# Altium PCB GameBoard_V1I1_Phase1.PcbDoc (part 10 of 18) (continued)
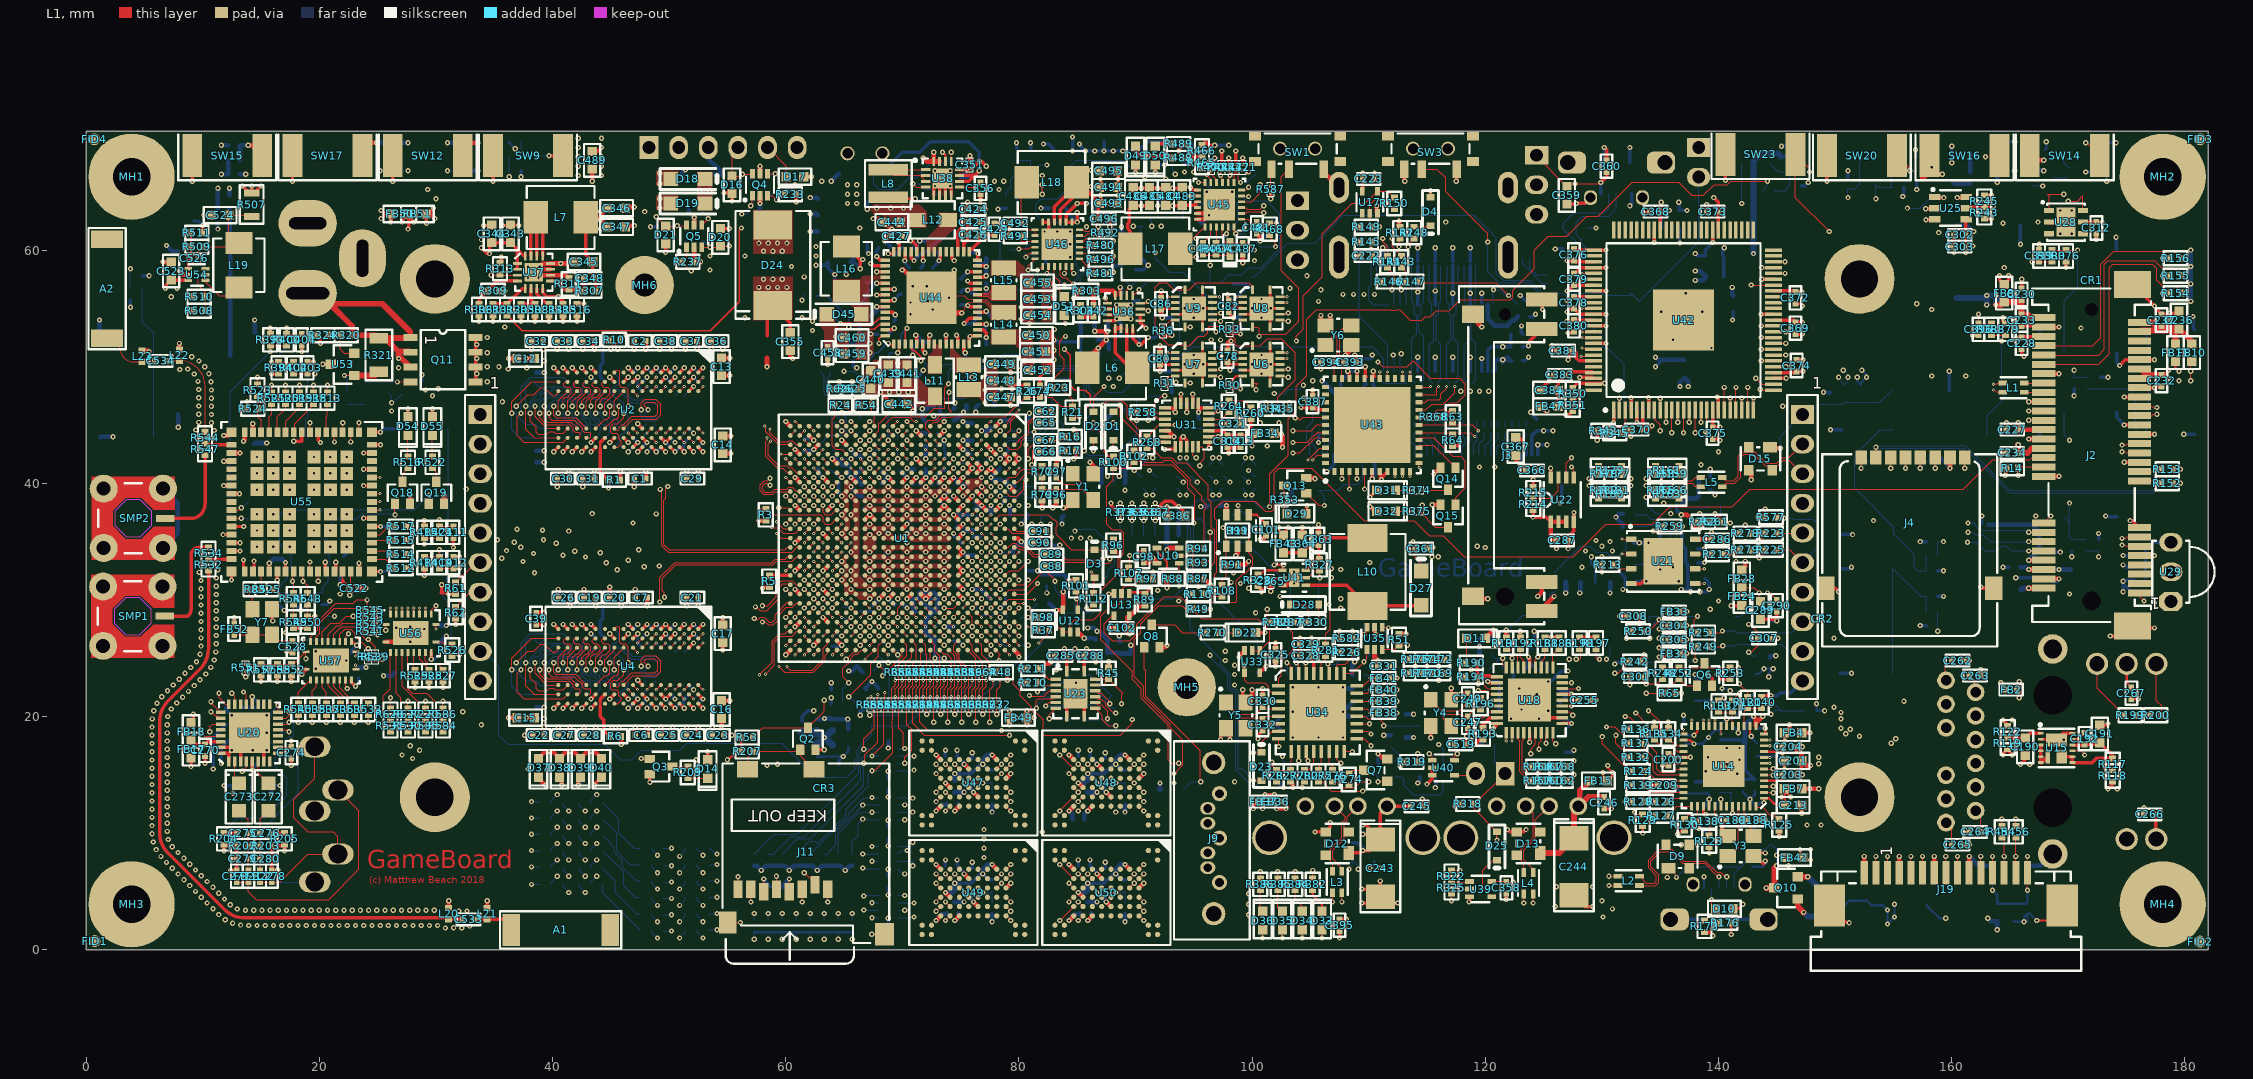
[diagram p0: L1 view]
## Nets (pads, with @x,y where several pads share a name; then routed paths per layer and width w, separated by ;. In a path a pad name is that pad's centre, name@x,y a point inside that pad or via, vN(x,y) a via of type N, cw(c..) or ccw(c..) an arc to the next point about the centre after c; other vN are vias at no path point) (continued)
  L1 w0.093: v4(47.7,47.9) v3(48.1,48.3)
  L1 w0.1: v3(58.4,43.9) 58.4,43.7 58.3,43.6 58.3,42.317 59.317,41.3 59.75,41.3 60.15,40.9 U1.AE6@60.4,40.9
  L3 w0.1: v4(47.7,47.9) 48.097,47.9 48.382,47.615 48.685,47.615 49.5,46.8 49.8,46.5 57.5,46.5 58.7,45.3 v4(58.7,44.2)
  L2 w0.1: v4(47.7,47.9) v3(48.1,48.3) ; v3(58.4,43.9) v4(58.7,44.2)
DRAM_DQS1_P: U1.AD6 U2.F3 | length 19.1
  L1 w0.093: v4(48.5,47.9) v3(48.9,48.3)
  L1 w0.1: v3(58.7,43.6) 58.5,43.4 58.5,42.4 59.4,41.5 60.105,41.5 60.255,41.35 60.5,41.35 60.95,40.9 U1.AD6@61.2,40.9
  L3 w0.1: v4(48.5,47.9) 48.683,47.9 49.883,46.7 57.583,46.7 58.083,46.2 59,45.283 v4(59,43.9)
  L2 w0.1: v4(48.5,47.9) v3(48.9,48.3) ; v3(58.7,43.6) v4(59,43.9)
DRAM_DQS2_N: U1.AE8 U3.G3 | length 21
  L1 w0.1: v2(58.65,40.425) 58.425,40.2 58.142,40.2 57.825,39.883 57.825,39.342 58.117,39.05 58.875,39.05 59.1,39.275 60.155,39.275 60.23,39.2 60.3,39.2 U1.AE8@60.4,39.3
  L10 w0.1: v5(47.7,44.7) 48.575,45.575 49.225,45.575 49.65,46 54.65,46 57.375,43.275 57.375,40.8 57.95,40.225 58.45,40.225 v2(58.65,40.425)
  L11 w0.1: v5(47.7,44.7) v6(48.1,45.1)
  L12 w0.093: v5(47.7,44.7) v6(48.1,45.1)
DRAM_DQS2_P: U1.AD8 U3.F3 | length 20.6
  L1 w0.1: v2(58.65,39.825) 58.475,40 58.225,40 58.025,39.8 58.025,39.425 58.2,39.25 58.792,39.25 59.042,39.5 60.105,39.5 60.255,39.65 60.545,39.65 60.895,39.3 U1.AD8@61.2,39.3
  L10 w0.1: v5(48.5,44.7) 48.5,45.15 48.725,45.375 49.308,45.375 49.733,45.8 54.567,45.8 57.175,43.192 57.175,40.717 57.867,40.025 58.45,40.025 v2(58.65,39.825)
  L11 w0.1: v5(48.5,44.7) v6(48.9,45.1)
  L12 w0.093: v5(48.5,44.7) v6(48.9,45.1)
DRAM_DQS3_N: U1.AB10 U3.B7 | length 20.4
  L1 w0.093: v2(62.4,38.1) U1.AB10@62.8,37.7
  L10 w0.1: v5(50.9,47.1) 51.175,47.375 54.442,47.375 58.217,43.6 58.217,42.117 59.15,41.184 59.15,38.842 59.925,38.067 59.925,37.742 60.392,37.275 61.783,37.275 62.1,37.592 62.1,37.8 v2(62.4,38.1)
  L11 w0.1: v5(50.9,47.1) v6(51.3,47.5)
  L12 w0.093: v6(51.3,47.5) U3.B7@51.7,47.9
DRAM_DQS3_P: U1.AC10 U3.C7 | length 20.1
  L1 w0.093: v2(61.6,38.1) U1.AC10@62,37.7
  L10 w0.1: v5(50.9,47.9) 51.225,47.575 54.525,47.575 58.417,43.683 58.417,42.2 59.35,41.267 59.35,38.925 60.125,38.15 60.125,37.825 60.475,37.475 61.7,37.475 61.9,37.675 61.9,37.8 v2(61.6,38.1)
  L11 w0.1: v6(50.5,47.5) v5(50.9,47.9)
  L12 w0.093: v6(50.5,47.5) v5(50.9,47.9)
DRAM_DQS4_N: U1.AE18 U5.G3 | length 22.8
  L1 w0.09: v2(57.4,29.4) 57.492,29.4 57.822,29.07 58.37,29.07 59.45,30.15 59.45,31.096 59.754,31.4 60.3,31.4 U1.AE18@60.4,31.3
  L10 w0.1: v5(47.7,22.7) 47.95,22.95 47.95,23.383 48.217,23.65 52.517,23.65 52.742,23.875 57.272,23.875 57.632,24.235 58.1,24.703 58.1,27.05 58.675,27.625 58.675,28.192 58.459,28.409 58.391,28.409 v2(57.4,29.4)
  L11 w0.1: v5(47.7,22.7) v6(48.1,23.1)
  L12 w0.093: v5(47.7,22.7) v6(48.1,23.1)
DRAM_DQS4_P: U1.AD18 U5.F3 | length 22.8
  L1 w0.09: v2(58,29.5) 58.446,29.5 59.2,30.254 59.2,31.2 59.65,31.65 60.55,31.65 60.9,31.3 U1.AD18@61.2,31.3
  L10 w0.1: v5(48.5,22.7) 48.15,23.05 48.15,23.3 48.3,23.45 52.6,23.45 52.825,23.675 57.355,23.675 57.832,24.152 58.3,24.62 58.3,26.967 58.875,27.542 58.875,28.275 58,29.15 v2(58,29.5)
  L11 w0.1: v5(48.5,22.7) v6(48.9,23.1)
  L12 w0.093: v5(48.5,22.7) v6(48.9,23.1)
DRAM_DQS5_N: U1.AE20 U5.B7 | length 17.7
  L1 w0.09: v2(57.3,28.4) 57.4,28.3 57.592,28.3 57.822,28.53 58.178,28.53 58.608,28.1 58.846,28.1 59.1,28.354 59.1,28.746 60.144,29.79 U1.AE20@60.31,29.79
  L10 w0.1: v5(50.9,25.1) 50.575,25.425 50.383,25.425 50.25,25.292 50.25,24.908 50.583,24.575 53.85,24.575 54.6,25.325 54.755,25.325 54.805,25.375 55.725,25.375 56.25,24.85 56.9,24.85 57.225,25.175 57.225,28.325 v2(57.3,28.4)
  L11 w0.1: v5(50.9,25.1) v6(51.3,25.5)
  L12 w0.093: v6(51.3,25.5) U5.B7@51.7,25.9
DRAM_DQS5_P: U1.AD20 U5.C7 | length 18.6
  L1 w0.09: v2(58,28.1) 58.255,28.1 58.505,27.85 58.95,27.85 59.35,28.25 59.35,28.643 60.062,29.355 60.543,29.355 60.888,29.7 U1.AD20@61.2,29.7
  L10 w0.1: v5(50.9,25.9) 50.625,25.625 50.3,25.625 50.05,25.375 50.05,24.825 50.5,24.375 53.933,24.375 54.683,25.125 54.838,25.125 54.888,25.175 55.642,25.175 56.167,24.65 56.983,24.65 57.425,25.092 57.425,27.525 v2(58,28.1)
  L11 w0.1: v6(50.5,25.5) v5(50.9,25.9)
  L12 w0.093: v6(50.5,25.5) v5(50.9,25.9)
DRAM_DQS6_N: U1.AE23 U4.B7 | length 18.1
  L1 w0.093: v3(51.3,22.3) v4(51.7,22.7)
  L1 w0.1: v3(57.75,23.575) 58.825,24.65 58.825,26.433 59.492,27.1 59.95,27.1 60.15,27.3 U1.AE23@60.4,27.3
  L3 w0.1: v4(51.7,22.7) 51.425,22.975 51.425,23.408 51.158,23.675 50.025,23.675 49.875,23.825 49.875,23.975 50.025,24.125 51.192,24.125 52.092,23.225 58,23.225 v4(58.05,23.275)
  L2 w0.1: v3(51.3,22.3) v4(51.7,22.7) ; v3(57.75,23.575) v4(58.05,23.275)
DRAM_DQS6_P: U1.AD23 U4.C7 | length 18.9
  L1 w0.093: v3(50.5,22.3) v4(50.9,22.7)
  L1 w0.1: v3(58.275,23.625) 59.025,24.375 59.025,26.35 59.575,26.9 60.55,26.9 60.95,27.3 U1.AD23@61.2,27.3
  L3 w0.1: v4(50.9,22.7) 51.225,23.025 51.225,23.325 51.075,23.475 49.942,23.475 49.675,23.742 49.675,24.058 49.942,24.325 51.275,24.325 52.175,23.425 57.475,23.425 v4(57.975,23.925)
  L2 w0.1: v3(50.5,22.3) v4(50.9,22.7) ; v4(57.975,23.925) v3(58.275,23.625)
DRAM_DQS7_N: U1.AA24 U4.G3 | length 23.8
  L1 w0.093: v4(47.7,25.9) v3(48.1,26.3)
  L1 w0.1: v3(60.1,24.275) 60.4,23.975 62.275,23.975 63.2,24.9 63.2,25.85 63.6,26.25 U1.AA24@63.6,26.5
  L3 w0.1: v4(47.7,25.9) 47.821,25.779 47.821,25.579 46.925,24.683 46.925,23.892 47.267,23.55 48.783,23.55 49.1,23.867 49.1,24.575 49.45,24.925 51.617,24.925 52.092,24.45 58.217,24.45 58.492,24.175 59.6,24.175 v4(59.8,23.975)
  L2 w0.1: v4(47.7,25.9) v3(48.1,26.3) ; v4(59.8,23.975) v3(60.1,24.275)
DRAM_DQS7_P: U1.AA25 U4.F3 | length 23.8
  L1 w0.093: v4(48.5,25.9) v3(48.9,26.3)
  L1 w0.1: v3@59.4,24.3 v3(59.425,24.275) 59.925,23.775 62.358,23.775 63.4,24.817 63.4,25.25 63.6,25.45 U1.AA25@63.6,25.7
  L3 w0.1: v4(48.5,25.9) 48.425,25.9 47.125,24.6 47.125,23.975 47.35,23.75 48.7,23.75 48.9,23.95 48.9,24.658 49.367,25.125 51.7,25.125 52.175,24.65 58.3,24.65 58.575,24.375 59.525,24.375 v4(59.725,24.575)
  L2 w0.1: v4(48.5,25.9) v3(48.9,26.3) ; v3(59.425,24.275) v4(59.725,24.575)
DRAM_RAS_B: U1.AB15 U2.J3 U3.J3 U4.J3 U5.J3 | length 53.6
  L1 w0.093: v2(45.3,24) 45.3,25.1 U4.J3@46.1,25.9 ; v2(45.3,46) 45.3,47.1 U2.J3@46.1,47.9 ; U1.AB15@62.8,33.7 v3(63.2,33.3)
  L3 w0.1: v2(47.4,34.3) 47.4,33.45 47.8,33.45 47.875,33.375 57.025,33.375 57.2,33.2 61.642,33.2 61.757,33.315 62.14,33.315 62.425,33.6 v4(62.9,33.6)
  L10 w0.093: 44.057,26.786 44.057,26.224 45.328,24.953 45.328,24.028 v2(45.3,24) ; 44.057,27.414 44.057,27.586 ; 44.057,26.786 44.057,27.414 ; 44.057,27.586 44.057,28.478 44.571,28.992 44.571,29.7 45.656,30.785 45.661,30.785 46.15,31.273 46.15,31.294 46.706,31.85 46.722,31.85 47.475,32.604 47.4,32.679 47.4,33.45 ; v2(45.3,46) 45.3,45.45 44.125,44.275 44.125,41.566 44.165,41.527 44.165,40.867 45.45,39.581 45.45,38.925 47.7,36.675 47.7,33.6 47.475,33.375 47.4,33.45 ; v2(47.4,34.3) 47.4,33.45
  L2 w0.1: v4(62.9,33.6) v3(63.2,33.3)
  L12 w0.093: v2(45.3,24) 45.225,24 45.1,23.875 45.1,23.7 45.216,23.584 45.534,23.584 45.654,23.463 45.654,23.229 45.833,23.05 46.067,23.05 46.184,22.934 46.184,22.784 U5.J3@46.1,22.7 ; v2(45.3,46) 45.225,46 45.1,45.875 45.1,45.7 45.216,45.584 45.534,45.584 45.654,45.463 45.654,45.229 45.833,45.05 46.067,45.05 46.184,44.934 46.184,44.784 U3.J3@46.1,44.7
DRAM_RESET_B: R4.2 U1.Y6 U2.T2 U3.T2 U4.T2 U5.T2 | length 79.5
  L1 w0.093: v2(36.5,24) 36.5,25 38.2,26.7 U4.T2@40.5,26.7 ; v2(36.5,46) 36.5,47 38.2,48.7 U2.T2@40.5,48.7 ; U1.Y6@64.4,40.9 v2(64.8,40.5)
  L3 w0.093: v2(35.275,35.15) 36.725,36.6 38.3,36.6 39.125,37.425 42.5,37.425 44.247,39.171 48.4,39.171 48.559,39.012 49.975,39.012 50.134,39.171 58.898,39.171 59.598,39.872 60.772,39.872 61,40.1 64.4,40.1 v2(64.8,40.5)
  L10 w0.093: v2(36.5,24) 36.5,25.5 35.257,26.743 35.257,35.132 v2(35.275,35.15) 35.275,44.675 36.5,45.9 v2(36.5,46)
  L12 w0.093: v2(36.5,24) 36.5,22.6 37.2,21.9 U5.T2@40.5,21.9 ; v2(36.5,46) 36.5,44.6 37.2,43.9 U3.T2@40.5,43.9 ; R4.2@63.8,41.2 64.5,40.5 v2(64.8,40.5)
DRAM_SDBA0: U1.AC15 U2.M2 U3.M2 U4.M2 U5.M2 | length 58.6
  L1 w0.093: v2(43.3,24.6) 43.3,25.134 43.541,25.375 43.775,25.375 44.1,25.7 44.1,25.96 43.835,26.225 43.575,26.225 43.425,26.375 43.425,26.55 43.55,26.675 U4.M2@43.725,26.675 ; v2(43.3,46.6) 43.3,47.134 43.541,47.375 43.775,47.375 44.1,47.7 44.1,47.96 43.835,48.225 43.575,48.225 43.425,48.375 43.425,48.55 43.55,48.675 U2.M2@43.725,48.675 ; v3(61.6,33.3) U1.AC15@62,33.7
  L3 w0.1: v2(44.1,34.05) 44.192,34.05 44.542,34.4 46.19,34.4 46.59,34.8 47.43,34.8 47.73,34.5 56.3,34.5 57.4,33.4 61.559,33.4 61.759,33.6 v4(61.9,33.6)
  L10 w0.093: 41.872,29.371 41.872,28.815 41.328,28.271 41.328,27.588 43.3,25.616 v2(43.3,24.6) ; v2(43.3,46.6) 43.3,44.927 42.473,44.1 42.35,44.1 41.328,43.078 41.328,42.475 41.4,42.403 41.4,41.7 42.596,40.504 42.596,40.229 43.657,39.169 43.657,38.069 44.1,37.625
  L10 w0.1: 41.875,29.371 41.875,29.545 43.075,30.745 43.075,30.825 43.454,31.203 43.454,32.306 44.1,32.953 v2(44.1,34.05) 44.1,37.625
  L2 w0.1: v3(61.6,33.3) v4(61.9,33.6)
  L12 w0.093: v2(43.3,24.6) 43.3,23.979 43.3,23.7 44.1,22.9 44.1,22.3 U5.M2@43.7,21.9 ; v2(43.3,46.6) 43.3,45.979 43.3,45.7 44.1,44.9 44.1,44.3 U3.M2@43.7,43.9
DRAM_SDBA1: U1.Y15 U2.N8 U3.N8 U4.N8 U5.N8 | length 77
  L1 w0.093: v2(39.7,24) 39.7,23.675 39.95,23.425 41.875,23.425 42.575,22.725 42.575,22.525 42.725,22.375 43.175,22.375 43.275,22.275 43.275,22 43.175,21.9 U4.N8@42.9,21.9 ; v2(39.7,46) 39.7,45.675 39.95,45.425 41.875,45.425 42.575,44.725 42.575,44.525 42.725,44.375 43.175,44.375 43.275,44.275 43.275,44 43.175,43.9 U2.N8@42.9,43.9 ; U1.Y15@64.4,33.7 v3(64.8,34.1)
  L3 w0.1: v2(38.45,32.325) 38.825,32.7 44.8,32.7 45.15,33.05 45.725,33.05 46.875,31.9 47.2,31.9 47.392,31.708 47.751,31.708 48.334,31.125 57.175,31.125 57.8,30.5 61.725,30.5 61.75,30.525 61.755,30.525 61.975,30.745 61.975,31.05 62.25,31.325 62.5,31.325 62.625,31.325 62.8,31.5 62.8,32.697 63.003,32.9 63.6,32.9 v4(64.5,33.8)
  L10 w0.093: 38.45,31.859 37.45,30.859 37.45,27.2 39.7,24.95 v2(39.7,24) ; 38.45,33.052 38.775,33.377 38.775,34.875 38.341,35.309 38.341,37.586 38.107,37.82 38.107,37.993 37.882,38.218 37.882,39.715 37.778,39.819 37.778,39.932 37.31,40.4 37.31,43.05 37.529,43.269 37.529,43.618 38.251,44.34 38.251,44.466 38.65,44.865 38.776,44.865 39.5,45.589 39.5,45.9 39.6,46 v2(39.7,46)
  L10 w0.1: 38.45,31.859 v2(38.45,32.325) 38.45,33.052
  L2 w0.1: v4(64.5,33.8) v3(64.8,34.1)
  L12 w0.093: v2(39.7,24) 39.7,24.73 40.145,25.175 42.275,25.175 42.575,25.475 42.575,26.375 U5.N8@42.9,26.7 ; v2(39.7,46) 39.7,46.73 40.145,47.175 42.275,47.175 42.575,47.475 42.575,48.375 U3.N8@42.9,48.7
DRAM_SDBA2: U1.AB12 U2.M3 U3.M3 U4.M3 U5.M3 | length 60.1
  L1 w0.093: v2(42.9,24) 42.9,25.017 43.7,25.817 U4.M3@43.7,25.9 ; v2(42.9,46) 42.9,47.017 43.7,47.817 U2.M3@43.7,47.9 ; v3(62.4,35.7) U1.AB12@62.8,36.1
  L3 w0.1: v2(43.4,37.4) 44.325,37.4 45.541,38.616 50.139,38.616 50.299,38.775 59.062,38.775 59.762,39.475 60.825,39.475 61.2,39.1 61.2,38.7 61.4,38.5 62.53,38.5 62.775,38.255 62.775,36.075 v4(62.7,36)
  L10 w0.093: v2(42.9,24) 42.9,25.475 41.3,27.075 41.2,27.075 40.5,27.775 40.5,28.775 40.925,29.2 40.925,29.827 42.598,31.5 42.743,31.5 43.257,32.014 43.257,32.388 43.597,32.727 43.597,33.429 43.4,33.625 v2(43.4,37.4) 43.427,37.4 42.993,37.834 42.993,38.48 42.1,39.373 42.1,39.811 40.475,41.436 40.475,42.875 41.628,44.028 42.006,44.028 42.27,44.293 42.393,44.293 42.9,44.8 v2(42.9,46)
  L2 w0.1: v3(62.4,35.7) v4(62.7,36)
  L12 w0.093: v2(42.9,24) 42.825,24 42.7,23.875 42.7,23.7 42.816,23.584 43.134,23.584 43.254,23.463 43.254,23.129 43.333,23.05 43.617,23.05 43.7,22.967 U5.M3@43.7,22.7 ; v2(42.9,46) 42.825,46 42.7,45.875 42.7,45.7 42.816,45.584 43.134,45.584 43.254,45.463 43.254,45.129 43.333,45.05 43.617,45.05 43.7,44.967 U3.M3@43.7,44.7
DRAM_SDCKE0: R3.2 U1.Y11 U2.K9 U3.K9 U4.K9 U5.K9 | length 87.3
  L1 w0.093: U4.K9@45.3,21.1 45.6,21.1 45.9,21.4 45.9,21.6 45.7,21.8 45.7,22.1 45.525,22.275 45.1,22.275 44.975,22.4 44.975,22.875 45.2,23.1 45.6,23.1 46.1,23.6 v2(46.1,24) ; U2.K9@45.3,43.1 45.6,43.1 45.9,43.4 45.9,43.6 45.7,43.8 45.7,44.1 45.525,44.275 45.1,44.275 44.975,44.4 44.975,44.875 45.2,45.1 45.6,45.1 46.1,45.6 v2(46.1,46) ; v3(57.7,37.8) R3.2@58.3,37.8 58.8,37.3 63,37.3 63.2,37.1 63.2,36.7 63.4,36.5 63.9,36.5 64.3,36.9 U1.Y11@64.4,36.9
  L3 w0.1: v2(48.9,37.375) 52.425,37.375 52.631,37.169 57.244,37.169 57.525,37.45 57.525,37.65 57.425,37.75 48.425,37.75 48.3,37.875 48.3,37.955 48.545,38.2 57.3,38.2 57.375,38.275 57.375,38.375 59.228,38.375 59.369,38.516 59.584,38.516 59.775,38.325 59.775,37.745 59.53,37.5 v4(58,37.5)
  L10 w0.093: v2(46.1,24) 46.1,24.727 44.443,26.384 44.443,28.318 44.957,28.832 44.957,29.457 46.536,31.036 46.536,31.134 46.866,31.464 46.882,31.464 47.717,32.3 47.975,32.3 48.9,33.225 v2(48.9,37.375) 48.9,37.877 48.451,38.326 47.501,38.326 46.626,39.201 46.449,39.201 46.193,39.457 46.12,39.457 44.75,40.827 44.75,42.907 44.528,43.129 44.528,44.133 45.728,45.332 45.78,45.332 46.1,45.652 v2(46.1,46)
  L2 w0.1: v3(57.7,37.8) v4(58,37.5)
  L12 w0.093: U5.K9@45.3,27.5 45.7,27.1 45.7,26.6 45.4,26.3 45.2,26.3 44.975,26.075 44.975,25.75 45.425,25.3 45.612,25.3 46.1,24.813 v2(46.1,24) ; U3.K9@45.3,49.5 45.7,49.1 45.7,48.6 45.4,48.3 45.2,48.3 44.975,48.075 44.975,47.75 45.425,47.3 45.612,47.3 46.1,46.813 v2(46.1,46)
DRAM_SDODT0: U1.AC16 U2.K1 U3.K1 U4.K1 U5.K1 | length 73.4
  L1 w0.093: U4.K1@45.3,27.5 45.5,27.7 45.675,27.7 45.775,27.6 45.775,26.35 45.9,26.225 46.235,26.225 46.5,25.96 v2(46.5,24.6) ; U2.K1@45.3,49.5 45.5,49.7 45.675,49.7 45.775,49.6 45.775,48.35 45.9,48.225 46.235,48.225 46.5,47.96 v2(46.5,46.6) ; v3(61.6,32.5) U1.AC16@62,32.9
  L3 w0.093: v2(49.15,32.9) 49.45,32.9 49.675,33.125 56.925,33.125 56.775,32.975 49.825,32.975 49.675,32.825
  L3 w0.1: 49.675,32.825 49.85,32.65 59.159,32.65 59.484,32.975 61.125,32.975 v4(61.3,32.8)
  L10 w0.093: v2(46.5,24.6) 44.987,26.112 44.987,26.562 45.271,26.846 45.271,27.254 44.85,27.675 44.85,28.425 45.15,28.725 45.15,29.275 46.729,30.854 46.729,31.054 46.946,31.271 46.962,31.271 47.715,32.025 48.275,32.025 v2(49.15,32.9) 49.675,33.425 49.675,37.725 48.725,38.675 47.425,38.675 46.45,39.65 46.2,39.65 44.95,40.9 44.95,43.025 45.271,43.346 45.271,43.654 45,43.925 45,44.125 46.5,45.625 v2(46.5,46.6)
  L2 w0.1: v4(61.3,32.8) v3(61.6,32.5)
  L12 w0.093: U5.K1@45.3,21.1 45.775,21.575 45.775,22.035 46.015,22.275 46.135,22.275 46.5,22.64 v2(46.5,24.6) ; U3.K1@45.3,43.1 45.775,43.575 45.775,44.035 46.015,44.275 46.135,44.275 46.5,44.64 v2(46.5,46.6)
DRAM_WE_B: U1.AB16 U2.L3 U3.L3 U4.L3 U5.L3 | length 55.6
  L1 w0.093: v2(43.7,24) 43.7,25.017 44.5,25.817 U4.L3@44.5,25.9 ; v2(43.7,46) 43.7,47.017 44.5,47.817 U2.L3@44.5,47.9 ; v3(62.4,33.3) U1.AB16@62.8,32.9
  L3 w0.1: v2(44.6,33.175) 44.75,33.325 45.762,33.325 46.262,32.825 46.558,32.825 47.475,31.908 47.834,31.908 48.417,31.325 57.8,31.325 61.825,31.325 62.025,31.525 62.025,31.855 62.6,32.43 62.6,32.78 62.7,32.88 v4(62.7,33)
  L10 w0.093: v2(43.7,24) 43.7,25.489 42.128,27.061 42.128,28.875 42.928,29.675 42.928,30.101 43.65,30.823 43.65,32.225 v2(44.6,33.175) 44.6,34.95 44.881,35.231 44.881,37.7 44.879,37.703 44.876,37.703 43.85,38.73 43.85,39.249 42.789,40.309 42.789,40.688 42.071,41.406 42.071,43.346 43.7,44.975 v2(43.7,46)
  L2 w0.1: v3(62.4,33.3) v4(62.7,33)
  L12 w0.093: v2(43.7,24) 43.625,24 43.5,23.875 43.5,23.784 43.7,23.584 43.934,23.584 44.054,23.463 44.054,23.229 44.233,23.05 44.467,23.05 44.584,22.934 44.584,22.784 U5.L3@44.5,22.7 ; v2(43.7,46) 43.625,46 43.5,45.875 43.5,45.784 43.7,45.584 43.934,45.584 44.054,45.463 44.054,45.229 44.233,45.05 44.467,45.05 44.584,44.934 44.584,44.784 U3.L3@44.5,44.7
DRVSTR: R342.2 R345.2 U42.3 | length 2.9
  L1 w0.1: R345.2@130.6,44.3 130.6,44.35 131.075,44.825 131.625,44.825 132,45.2 U42.3@132,46.275
DSEL: R471.1 TP46.1 U45.24 | length 8.8
  L1 w0.1: U45.24@98.45,62 98.45,61.55 v1(98.6,61.4) ; R471.1@99.2,66.835 99.335,66.7 v1(99.7,66.7)
  L10 w0.1: v1(98.6,61.4) 98.6,62.6 97.8,63.4 97.8,65.3 99.2,66.7 v1(99.7,66.7)
  L12 w0.1: v1(98.6,61.4) 99.3,61.4 TP46.1@99.4,61.3
EEPROM_WP: R214.1 R215.1 U22.7 | length 3.6
  L1 w0.1: R214.1@124.1,38.7 125.6,38.7 126.275,39.375 U22.7@126.275,40.5
EN_1V8WIFI: R508.2 R510.2 U54.5 | length 3.9
  L1 w0.1: R508.2@10.2,54.8 R510.2@10.2,56 10.2,56.4 9.6,57 9.6,57.7 9.8,57.9 U54.5@10.24,57.9
EN_1V375: R299.1 R301.1 U36.5 | length 15.8
  L1 w0.1: U36.5@89.7,56 v1(90.3,56.6)
  L12 w0.1: R301.1@88,50.6 R299.1@89.2,50.6 90.85,50.6 91.65,51.4 92.9,51.4 93.8,52.3 93.8,56.47 92.887,57.383 91.083,57.383 v1(90.3,56.6) v1@90.4,56.6
EN_3V3_HDR: R310.2 R312.1 U37.5 | length 3.3
  L1 w0.3: R310.2@34.9,55.4 R312.1@36.1,55.4 37.39,56.69 U37.5@37.65,56.69
ENET_LED_LINK: J8.13 R120.2 | length 51.5
  L1 w0.093: v1(141.8,22.8) 141.8,22.775 142.5,22.075 R120.2@142.5,21.7
  L10 w0.093: v1(141.8,22.8) 141.4,22.4 141.4,21.3 142,20.7 142,18.897 142.429,18.468 142.429,18.146 142.7,17.875 142.7,16.373 142.007,15.68 142.007,14.107 141.6,13.7 141.327,13.7 141.214,13.587 141.214,12.586 145.3,8.5 145.925,8.5 148.022,6.404 148.022,6.306 148.22,6.107 148.693,6.107 149.3,5.5 171.025,5.5 J8.13@175.007,9.482
ENET_LED_RX: R121.2 R199.2 R200.2 | length 65.3
  L1 w0.093: R121.2@141.2,21.4 v1(141.8,22) ; R199.2@175.8,20.1 v1(176.4,20.1) R200.2@177,20.1
  L10 w0.093: v1(141.8,22) 143.5,20.3 143.5,20.225 143.428,20.154 143.428,19.346 143.5,19.275 143.5,16.9 142.2,15.6 142.2,13.914 141.6,13.314 141.6,12.7 142.4,11.9 142.7,11.9 143.528,11.072 143.528,11.046 143.846,10.729 143.872,10.729 144.828,9.772 144.828,9.546 145.046,9.329 145.37,9.329 148.215,6.484 148.215,6.385 148.3,6.3 170.8,6.3 172.9,8.4 172.9,13.3 170.3,15.9 170.3,17.5 172.9,20.1 v1(176.4,20.1)
ENET_LED_RX_G: J8.17 R200.1 | length 4.6
  L1 w0.093: J8.17@177.547,24.518 177.547,21.353 178,20.9 R200.1@178,20.1
ENET_LED_RX_O: J8.15 R199.1 | length 5.4
  L1 w0.093: J8.15@172.467,24.518 172.467,22.433 R199.1@174.8,20.1
ENET_REF_CLK: R123.2 U1.V22 | length 111.7
  L1 w0.093: v2(65.6,27.7) U1.V22@66,28.1
  L1 w0.1: v1(139.2,8.3) R123.2@139.2,8.8 139.2,8.9 R123.2@139.3,9
  L3 w0.1: v2(65.6,27.7) 65.6,27.897 65.775,28.072 65.775,28.145 65.975,28.345 65.975,28.349 66.3,28.674 66.3,29.149 66.6,29.449 66.6,31.7 67,32.1 67.33,32.1 68,32.77 68,33.1 68.625,33.725 68.955,33.725 69.815,34.585 70.185,34.585 70.245,34.525 71.355,34.525 72.6,35.77 72.6,36.35 72.65,36.4 72.65,37.2 73.125,37.675 73.755,37.675 73.815,37.615 74.015,37.615 74.875,38.475 76.975,38.475 77.2,38.7 77.2,39.03 77.47,39.3 78.6,39.3 79,38.9 80.082,38.9 80.282,38.7 81.266,38.7 81.466,38.5 84.545,38.5 85.845,37.2 86.714,37.2 87.107,36.807 87.607,36.807 88.814,35.6 93.8,35.6 94.575,34.825 96.022,34.825 96.022,35.092 96.082,35.032 97.418,35.032 97.518,35.132 98.438,35.132 98.645,34.925 98.955,34.925 99.162,35.132 100.238,35.132 100.545,34.825 100.855,34.825 101.162,35.132 103.19,35.132 103.415,34.907 112.075,34.907 112.768,35.6 115.4,35.6 117.1,33.9 117.6,33.9 118.1,33.4 122.7,33.4 123.1,33.8 128,33.8 128.225,34.025 128.225,34.355 128.445,34.575 128.755,34.575 128.955,34.375 129.225,34.375 129.5,34.1 129.6,34.2 v1(130.9,34.2)
  L10 w0.1: v1(130.9,34.2) 130.9,31.213 131.275,30.838 131.275,30.755 131.73,30.3 135.117,30.3 135.717,29.7 136.1,29.7 136.1,19.913 136.275,19.738 136.275,19.262 136.1,19.087 136.1,15.683 137.21,14.573 137.21,14.407 137.093,14.29 137.093,14.273 137.641,13.724 137.641,13.141 138.283,12.5 138.9,12.5 139.175,12.225 139.175,11.37 139,11.195 139,8.73 139.3,8.43 139.2,8.33 v1(139.2,8.3)
ENET_REF_CLK_R: R123.1 R138.2 U14.41 | length 2.5
  L1 w0.1: R123.1@139.3,10 139.3,11.1 139.7,11.5 U14.41@139.7,12.3
ETH_ISET: R125.1 U14.48 | length 2.5
  L1 w0.1: U14.48@143.2,12.3 143.3,12.2 143.8,12.2 144.5,11.5 144.9,11.5 R125.1@145.2,11.2
ETH_OSCI_25MHz: C188.1 U14.46 Y3.3 | length 2.8
  L1 w0.1: U14.46@142.2,12.3 142.2,11.7 142.4,11.5 142.4,11.2 142.4,10.8 143,10.2 Y3.3@143,9.85
ETH_OSCO_25MHz: C189.1 U14.45 Y3.1 | length 4.7
  L1 w0.1: Y3.1@140.8,8.15 141.15,8.15 141.7,8.7 C189.1@141.7,11.1 141.7,11.6 U14.45@141.7,12.3
F_VIN: C363.1 C364.1 FB43.1 L10.1 R327.2 U41.6 | length 10.6
  L1 w0.3: FB43.1@102.7,34.05 C364.1@104.3,34.05 104.95,34.7 C363.1@105.7,34.7 ; U41.6@104.595,32.55 105.545,33.5 R327.2@105.8,33.5 105.7,33.6 C363.1@105.7,34.7 ; L10.1@109.9,35.321 106.321,35.321 C363.1@105.7,34.7
FB_1V8WIFI: C526.2 R509.1 R511.2 U54.1 | length 3.2
  L1 w0.2: U54.1@8.76,58.4 8.76,59.06 C526.2@9,59.3 R509.1@9,60.3 R511.2@9,61.5
FB_1V375: C341.1 R296.1 R300.2 U36.9 | length 4
  L1 w0.1: v1(87.4,55.9) 87.59,55.71 U36.9@87.59,55.45
  L12 w0.1: R300.2@85.3,54.8 C341.1@87.6,54.8 87.4,55 v1(87.4,55.9)
FB_3V3_HDR: C348.1 R307.1 R311.2 U37.9 | length 4.3
  L1 w0.3: U37.9@39.81,57.35 40.25,57.35 41,56.6 R311.2@41.4,56.6 42.6,56.6 R307.1@42.7,56.5 C348.1@42.7,57.6
FIL_HP_OUTL: C278.1 FB22.2 J10.2 J10.4 | length 20.5
  L1 w0.1: FB22.2@14.923,5.804 16.604,5.804 19,8.2 J10.2@21.6,8.2 21.6,9.7 21.2,10.1 19,10.1 17.8,11.3 17.8,12.9 19.6,14.7 J10.4@19.6,17.4
FIL_HP_OUTR: C277.1 FB21.2 J10.3 | length 20.2
  L1 w0.1: C277.1@12.923,5.804 FB21.2@13.923,5.804 13.923,4.977 14.6,4.3 20.8,4.3 23.4,6.9 23.4,11.9 J10.3@21.6,13.7
FIL_MIC_IN: C283.1 FB23.2 J10.1 | length 6.7
  L12 w0.1: C283.1@12.9,5.8 FB23.2@13.9,5.8 J10.1@19.6,5.8
FLASH_ALE: U1.A16 U47.C4 U48.C4 U49.C4 U50.C4 | length 66.7
  L1 w0.093: U49.C4@78.9,6.1 v2(79.3,6.5) ; U47.C4@78.9,15.5 v2(79.3,15.9) ; U1.A16@79.6,32.9 v2(80,33.3) ; U50.C4@90.3,6.1 v2(90.7,6.5) ; U48.C4@90.3,15.5 v2(90.7,15.9)
  L3 w0.093: v2(79.3,6.5) 81.307,8.507 88.966,8.507 90.3,7.173 90.3,6.9 v2(90.7,6.5) ; v2(79.3,15.9) 81.307,17.907 88.966,17.907 90.3,16.573 90.3,16.3 v2(90.7,15.9)
  L10 w0.093: v2(79.3,6.5) 81.2,8.4 81.2,14.7 80,15.9 v2(79.3,15.9) ; v2(80,33.3) 80.371,32.928 80.954,32.928 81.095,33.07 81.097,33.068 81.286,33.258 81.914,33.258 82.527,32.644 82.626,32.743 84.675,32.743 86.336,31.082 86.336,30.801 86.586,30.552 86.586,29.787 88.264,28.108 88.264,27.266 88.1,27.102 88.1,26.6 89.364,25.335 89.364,19.908 89.357,19.9 89.357,19.592 89.665,19.285 89.665,16.412 89.5,16.247 89.5,15.775 89.746,15.529 90.272,15.529 90.272,15.746 90.425,15.9 v2(90.7,15.9)
FLASH_CLE: U1.C15 U47.D5 U48.D5 U49.D5 U50.D5 | length 72.6
  L1 w0.093: U1.C15@78,33.7 v2(78.4,33.3) ; U49.D5@78.1,5.3 v2(78.5,5.7) ; U47.D5@78.1,14.7 v2(78.5,15.1) ; U50.D5@89.5,5.3 v2(89.9,5.7) ; U48.D5@89.5,14.7 v2(89.9,14.3)
  L3 w0.093: v2(78.5,5.7) 78.872,5.328 79.454,5.328 82.246,8.121 87.808,8.121 88.729,7.2 88.729,6.871 v2(89.9,5.7) ; v2(78.5,15.1) 78.872,14.728 79.454,14.728 82.246,17.521 87.808,17.521 88.729,16.6 88.729,15.471 v2(89.9,14.3)
  L10 w0.093: v2(78.4,33.3) 78.8,33.7 81.011,33.7 81.097,33.614 81.126,33.643 82.074,33.643 82.588,33.129 84.835,33.129 86.972,30.993 86.972,30.712 87.136,30.548 87.136,30.266 87.466,29.936 87.748,29.936 90.393,27.291 90.393,26.807 90.4,26.8 90.4,16.997 90.329,16.925 90.329,16.546 90.4,16.475 90.4,16.4 90.5,16.3 91,16.3 91.2,16.1 91.2,14.5 91,14.3 v2(89.9,14.3) ; v2(78.5,5.7) 78.321,5.878 78.321,6.153 78.168,6.306 78.128,6.346 78.128,6.654 78.346,6.872 78.735,7.261 78.735,7.534 78.953,7.751 78.953,8.026 79.193,8.266 79.193,9.293 80.2,10.3 80.2,13.4 v2(78.5,15.1)
FLASH_CS0: U1.F15 U47.C6 | length 29.6
  L1 w0.093: U1.F15@75.6,33.7 v2(76,33.3) ; U47.C6@78.9,13.9 v2(79.3,13.5)
  L10 w0.093: v2(76,33.3) 75.822,33.122 75.765,33.122 75.543,32.9 75.025,32.9 74.829,32.704 74.829,32.271 75,32.1 75.5,32.1 75.629,31.972 75.629,31.546 75.9,31.275 76.625,31.275 78,29.9 78.835,29.9 78.856,29.921 80.268,29.921 80.582,29.607 80.646,29.672 80.954,29.672 81.172,29.454 81.172,28.927 81.507,28.591 81.507,28.069 82.1,27.476 82.1,24.798 81.836,24.534 81.836,23.666 81.957,23.545 81.957,23.411 80.083,21.537 80.083,20.857 79.4,20.175 79.4,19.775 79.6,19.575 79.6,17.6 78.1,16.1 78.1,14.944 78.897,14.147 78.897,13.949 78.986,13.86 78.986,13.814 v2(79.3,13.5)
FLASH_CS1: U1.C16 U48.C6 | length 31
  L1 w0.093: v2(77.6,32.5) U1.C16@78,32.9 ; U48.C6@90.3,13.9 v2(90.7,13.5)
  L10 w0.093: v2(77.6,32.5) 78,32.9 79.1,32.9 79.5,32.5 81.075,32.5 81.154,32.579 81.229,32.579 81.229,32.654 81.446,32.872 81.754,32.872 81.972,32.654 81.972,32.579 82.046,32.579 82.383,32.242 82.671,32.242 82.786,32.357 84.515,32.357 85.95,30.922 85.95,30.641 86.2,30.392 86.2,28.959 87.417,27.742 87.328,27.654 87.328,27.346 87.546,27.129 87.714,27.129 87.714,26.44 88.3,25.854 88.3,20.9 88.7,20.5 88.7,16.298 88.865,16.134 88.865,16.036 89.1,15.8 89.1,14.4 89.107,14.393 89.107,14.22 89.649,13.679 89.821,13.679 90,13.5 v2(90.7,13.5)
FLASH_CS2: U1.A17 U49.C6 | length 42.5
  L1 w0.093: U49.C6@78.9,4.5 v2(79.3,4.1) ; U1.A17@79.6,32.1 v2(80,31.7)
  L3 w0.093: v2(82,10.1) 82.872,10.972 87.472,10.972 v2(88.3,11.8)
  L10 w0.093: v2(79.3,4.1) 82,6.8 v2(82,10.1) ; v2(80,31.7) 80.4,32.1 81.027,32.1 81.22,31.907 81.805,31.907 81.958,32.06 82.02,32.06 82.223,31.856 82.831,31.856 82.946,31.972 83.254,31.972 83.369,31.856 83.642,31.856 83.664,31.834 83.664,31.766 83.838,31.593 83.882,31.593 84.146,31.328 84.417,31.328 84.686,31.06 84.686,30.745 84.766,30.665 85.184,30.665 85.514,30.334 85.514,29.916 85.564,29.866 85.236,29.537 85.236,27.737 85.708,27.264 85.834,27.264 87,26.098 87,18.967 88,17.967 88,16.6 87.6,16.2 87.6,13.872 87.654,13.872 88.3,13.225 v2(88.3,11.8)
FLASH_CS3: U1.D16 U50.C6 | length 44
  L1 w0.093: U1.D16@77.2,32.9 v2(77.6,33.3) ; U50.C6@90.3,4.5 v2(90.7,4.1)
  L10 w0.093: v2(77.6,33.3) 77.77,33.47 77.77,33.543 78,33.773 78,34.264 78.229,34.493 78.529,34.493 78.551,34.472 78.554,34.472 78.772,34.254 78.772,34.251 78.919,34.104 81.153,34.104 81.227,34.029 82.234,34.029 82.748,33.515 85.685,33.515 91.1,28.1 91.1,18.778 91.8,18.078 91.8,14.525 91.729,14.454 91.729,14.146 91.8,14.075 91.8,13.7 91.265,13.165 91.265,12.466 91.2,12.402 91.2,11.6 89.472,9.872 89.472,7.146 89.4,7.075 89.4,5.3 90.6,4.1 v2(90.7,4.1)
FLASH_DATA0: U1.A18 U47.H4 U48.H4 U49.H4 U50.H4 | length 64
  L1 w0.093: v2(74.5,6.5) U49.H4@74.9,6.1 ; v2(74.5,15.9) U47.H4@74.9,15.5 ; U1.A18@79.6,31.3 80.4,31.3 v2(80.8,31.7) ; v2(85.9,6.5) U50.H4@86.3,6.1 ; v2(85.9,15.9) U48.H4@86.3,15.5
  L3 w0.093: v2(74.5,6.5) 75,7 76.9,7 77.028,6.872 77.054,6.872 77.271,6.654 77.271,6.629 77.9,6 77.9,5.5 78.4,5 79.7,5 82.5,7.8 84.475,7.8 85.775,6.5 v2(85.9,6.5) ; v2(74.5,15.9) 75,16.4 76.9,16.4 77.028,16.272 77.054,16.272 77.271,16.054 77.271,16.029 77.9,15.4 77.9,14.9 78.4,14.4 79.7,14.4 82.5,17.2 84.475,17.2 85.775,15.9 v2(85.9,15.9)
  L10 w0.093: v2(74.5,6.5) 74.5,6.9 74.3,7.1 74.3,9.7 75.9,11.3 75.9,12 74.7,13.2 74.7,14.775 74.871,14.946 74.871,15.529 v2(74.5,15.9) ; v2(80.8,31.7) 81.021,31.479 81.04,31.479 81.228,31.29 81.228,31.246 81.452,31.022 81.911,31.022 82.053,31.164 82.634,31.164 82.763,31.036 82.893,31.036 83.704,30.225 84.3,30.225 84.837,29.688 84.837,27.335 85.228,26.943 85.228,26.546 85.393,26.382 85.393,26.171 85.646,26.171 85.954,26.171 86.172,25.954 86.172,25.646 86,25.475 86,24.63 85.8,24.43 85.8,19.322 86.7,18.422 86.7,18.323 86.837,18.186 86.837,16.864 86.7,16.727 86.7,16.7 v2(85.9,15.9)